# Altium PCB RS2-708_V009.PcbDoc (part 4 of 4)
Units mm, origin at the board's own origin, x right, y up, seen from the top; angles counter-clockwise.
Board outline 68 x 68 mm, 4 copper layers (Top Layer, Layer 1, Layer 2, Bottom Layer), stack 0.783 mm thick; 241 components, 170 nets, 852 pads, 395 vias.
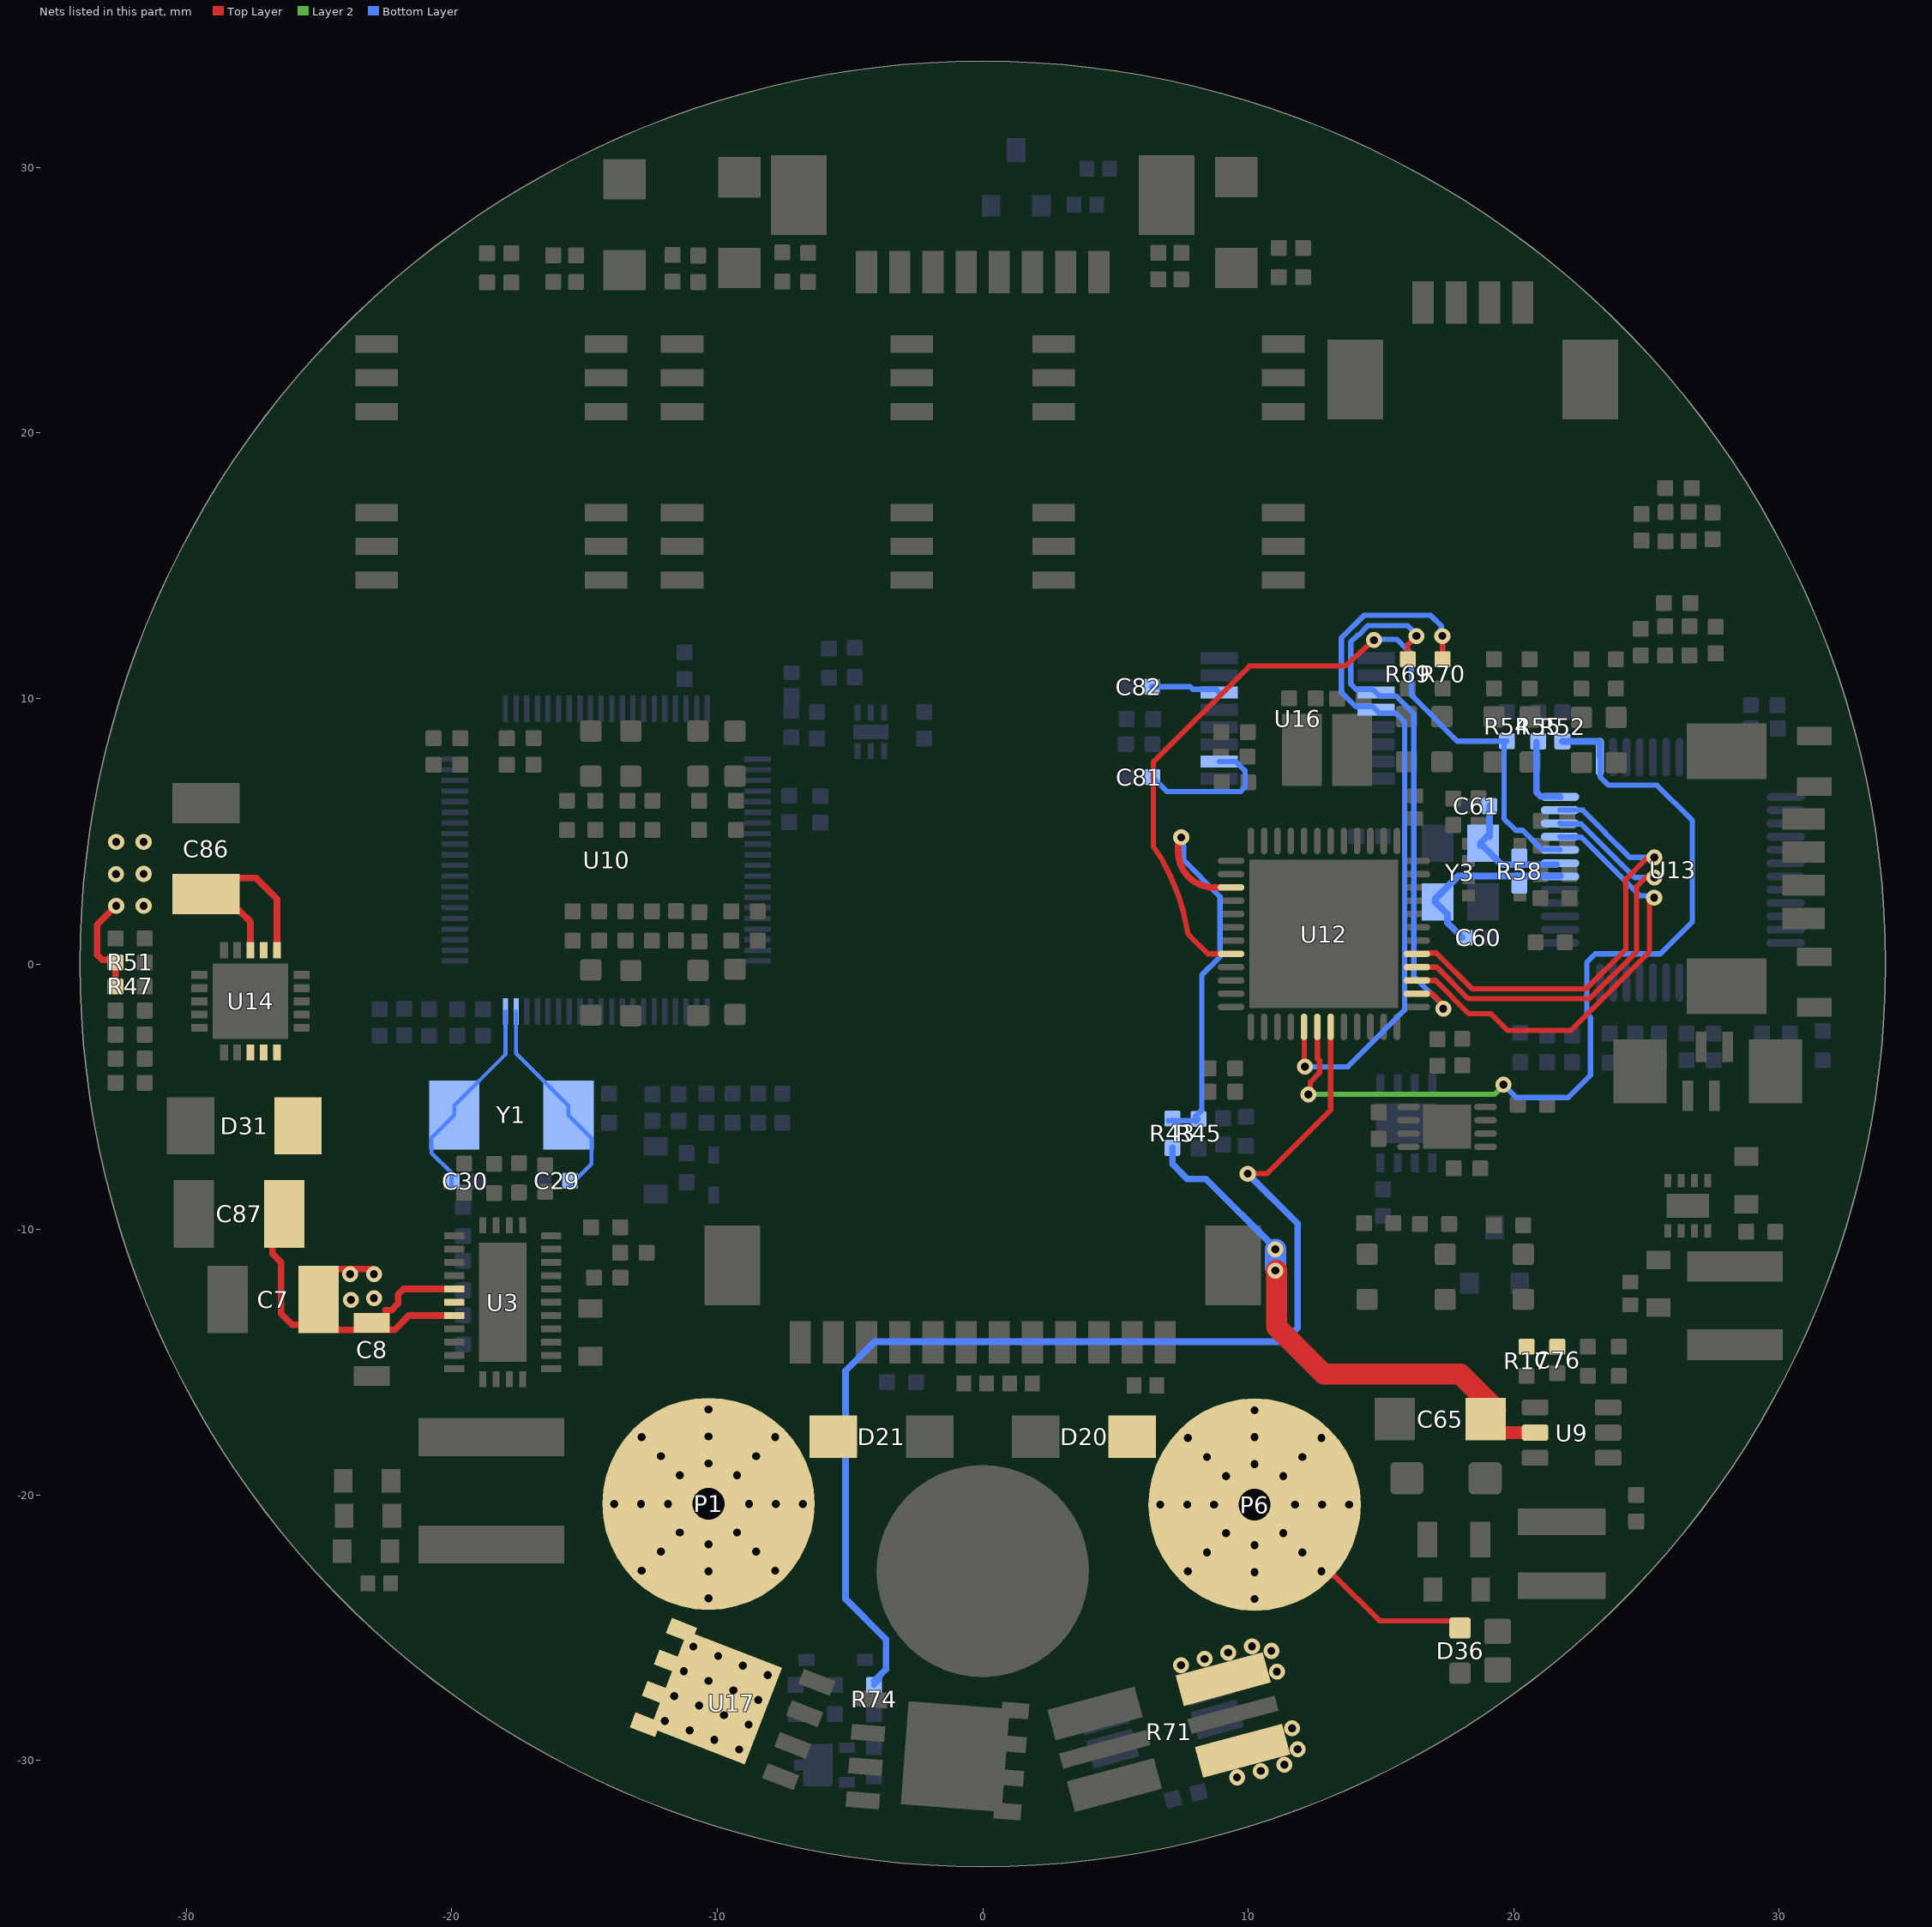
[diagram p6: the nets of this part, all layers, seen from the top]

## Via types
v1: diameter 0.6, hole 0.3, Top Layer to Bottom Layer, tented both sides, 251 vias
v2: diameter 0.6, hole 0.3, Top Layer to Bottom Layer, tented bottom, 109 vias
v3: diameter 0.6, hole 0.3, Top Layer to Bottom Layer, 32 vias
v4: diameter 2, hole 1.2, Top Layer to Bottom Layer, tented bottom, 3 vias

## Nets (pads, with @x,y where several pads share a name; then routed paths per layer and width w, separated by ;. In a path a pad name is that pad's centre, name@x,y a point inside that pad or via, vN(x,y) a via of type N, cw(c..) or ccw(c..) an arc to the next point about the centre after c; other vN are vias at no path point) (continued)
UART7_232_RX: R70.1 U12.29 U16.12 | length 27.6
  Top Layer w0.2: U12.29@12.102,-2.37 12.112,-2.379 12.112,-3.852 v1(12.132,-3.872) ; v1@17.289,12.324 17.318,12.294 R70.1@17.318,11.478
  Bottom Layer w0.2: v1(12.132,-3.872) 13.756,-3.872 15.89,-1.738 15.89,9.121 15.565,9.446 14.937,9.446 U16.12@14.812,9.571 14.687,9.696 14.042,9.696 13.512,10.226 13.512,12.276 14.364,13.129 16.871,13.129 17.272,12.727 v1@17.272,12.213
  other v1: 17.311,12.351
UART7_232_TX: R69.1 U12.38 U16.11 | length 21.3
  Top Layer w0.2: R69.1@16.008,11.478 16.008,12.021 v1(16.337,12.351) ; U12.38@16.352,-1.12 16.356,-1.123 16.925,-1.123 17.269,-1.467 17.269,-1.612 v1(17.346,-1.689)
  Bottom Layer w0.2: v1@16.418,12.32 15.993,12.746 14.509,12.746 14.148,12.384 14.115,12.384 13.862,12.131 13.862,10.542 14.058,10.346 14.687,10.346 14.937,10.096 15.565,10.096 16.24,9.421 16.24,-0.474 17.346,-1.58 v1(17.346,-1.689)
V+: C81.1 U16.2 | length 5.5
  Bottom Layer w0.2: C81.1@6.393,7.036 6.933,6.496 9.715,6.496 9.881,6.661 9.881,7.28 9.54,7.621 U16.2@8.912,7.621
V-: C82.1 U16.6 | length 2.6
  Bottom Layer w0.2: C82.1@6.367,10.439 7.818,10.439 7.912,10.346 8.787,10.346 U16.6@8.912,10.221
V_IN: C86.1 D21.2 P1.1 R47.2 R51.2 U14.1 U14.2 U14.3 U17.5 U17.6 U17.7 U17.8 | length 12.2
  Top Layer w0.25: R47.2@-32.662,-0.854 R51.2@-32.662,0.051 -32.76,0.15 -33.159,0.15 -33.352,0.343 -33.352,1.477 -32.642,2.187 v1(-32.637,2.187) ; U14.3@-27.58,0.517 -27.58,1.582 -27.997,1.999 -28.615,1.999 C86.1@-29.25,2.634 -28.642,3.242 -27.373,3.242 -26.58,2.449 U14.1@-26.58,0.517
  other v1: -31.603,2.187 -32.643,3.388 -31.603,3.391 -32.637,4.596 -31.603,4.596
  other v2: -10.328,-23.891 -10.328,-22.875 -12.842,-22.85 -7.813,-22.85 -12.124,-22.131 -8.532,-22.131 -10.328,-21.859 -11.406,-21.413 -9.25,-21.413 -13.884,-20.335 -12.868,-20.335 -11.852,-20.335 -8.804,-20.335 -7.788,-20.335 -6.772,-20.335 -11.406,-19.258 -9.25,-19.258 -10.328,-18.811 -12.124,-18.539 -8.532,-18.539 -12.842,-17.821 -7.813,-17.821 -10.328,-17.795 -10.328,-16.779
  other v3: -9.175,-29.584 -10.109,-29.225 -11.042,-28.867 -8.816,-28.65 -11.976,-28.508 -9.75,-28.292 -10.683,-27.933 -8.458,-27.717 -11.617,-27.574 -9.391,-27.358 -10.325,-27 -8.099,-26.783 -11.258,-26.641 -9.032,-26.425 -9.966,-26.066 -10.9,-25.707
  other v4: -10.328,-20.335
V_SUPPLY: R43.1 R45.2 U12.15 | length 16.2
  Top Layer w0.25: v1@7.459,4.769 ccw(c7.459,4.676) 7.366,4.676 7.366,4.219 ccw(c8.705,4.219) 8.705,2.88 U12.15@9.352,2.88
  Bottom Layer w0.2: R43.1@6.988,-5.903 8.066,-5.903 R45.2@8.125,-5.845 ; v1@7.563,4.793 7.552,4.783 7.552,4.461 7.563,4.45 7.563,3.909 8.941,2.532 8.941,0.272 8.252,-0.417 8.252,-5.498 8.015,-5.735 R45.2@8.015,-5.939
  other v1: 7.476,4.767
Vm_708: C7.2 C8.1 C65.1 C76.1 C87.1 D31.1 R17.2 R43.2 U3.20 U3.21 U3.22 U9.5 U14.13 U14.14 U14.15 | length 37.7
  Top Layer w0.25: C87.1@-26.3,-9.413 -26.753,-9.866 -26.753,-10.911 -26.424,-11.24 -26.424,-13.171 -26.005,-13.59 -25.652,-13.59 -25.017,-12.955 C7.2@-25.017,-12.639 -25.017,-12.129 -24.382,-11.494 -24.225,-11.494 -24.222,-11.49 v1@-23.126,-11.49 ; C7.2@-24.614,-13.548 -24.382,-13.78 -22.151,-13.78 -21.613,-13.242 U3.22@-19.902,-13.242 ; v1(-22.929,-11.687) v1@-23.126,-11.49 ; v1@-22.929,-11.49 v1@-23.126,-11.49 ; -22.502,-13.038 -22.266,-13.038 -22.016,-12.788 -22.016,-12.443 -21.815,-12.242 U3.20@-19.902,-12.242
  Top Layer w0.5: C65.1@19.445,-17.651 U9.5@20.806,-17.651
  Top Layer w0.8: v1@11.059,-11.548 11.069,-11.558 11.069,-13.667 12.852,-15.449 17.992,-15.449 19.312,-16.769 C65.1@18.938,-17.144
  Bottom Layer w0.25: R43.2@7.143,-6.927 7.143,-7.537 7.702,-8.096 8.406,-8.096 v1@11.078,-10.767
  Bottom Layer w0.8: v1@11.026,-11.452 v1(11.026,-10.749)
  other v1: -23.798,-12.651 -22.929,-12.592 -23.83,-11.687 11.026,-11.548
VM_BUS_EN: R74.1 U12.31 | length 44.4
  Top Layer w0.2: v1(9.98,-7.9) 10.704,-7.9 13.102,-5.501 U12.31@13.102,-2.37
  Bottom Layer w0.2: R74.1@-4.094,-27.159 -4.013,-27.078 -3.918,-26.983 -3.918,-26.836
  Bottom Layer w0.25: R74.1@-4.086,-27.004 -3.992,-26.909 -3.918,-26.836 -3.863,-26.781 -3.644,-26.562 -3.644,-25.437 -5.166,-23.916 -5.166,-15.32 -4.071,-14.225 11.336,-14.225 11.863,-13.698 11.863,-9.782 v1(9.98,-7.9)
Vm_OUT: D20.2 D36.2 P6.1 R71.2 | length 6.3
  Top Layer w0.2: P6.1@12.586,-23.049 12.755,-23.049 12.849,-22.955 12.94,-22.955 13.034,-23.049 13.256,-23.049 14.944,-24.738 17.703,-24.738 D36.2@17.975,-25.01
  other v1: 9.58,-30.635 10.471,-30.396 11.362,-30.157 11.864,-29.575 11.654,-28.79 11.082,-26.656 7.467,-26.415 8.359,-26.176 9.25,-25.937 10.871,-25.871 10.141,-25.698
  other v2: 10.241,-23.92 10.241,-22.904 7.726,-22.879 12.755,-22.879 8.445,-22.16 12.037,-22.16 10.241,-21.888 9.163,-21.442 11.318,-21.442 6.685,-20.364 7.701,-20.364 8.717,-20.364 11.765,-20.364 12.781,-20.364 13.797,-20.364 9.163,-19.287 11.318,-19.287 10.241,-18.84 8.445,-18.568 12.037,-18.568 7.726,-17.85 12.755,-17.85 10.241,-17.824 10.241,-16.808
  other v4: 10.241,-20.364
W5500_INTn: R55.1 U13.36 | length 2.8
  Bottom Layer w0.25: R55.1@20.86,8.351 20.86,6.464 21.022,6.302 21.734,6.302 U13.36@21.743,6.293
W5500_MISO: U12.40 U13.34 | length 16.9
  Top Layer w0.2: U12.40@16.352,-0.12 17.102,-0.12 18.292,-1.31 22.808,-1.31 22.831,-1.287 22.882,-1.287 24.629,0.46 24.629,2.919 24.988,3.278
  Bottom Layer w0.2: U13.34@21.743,5.293 21.761,5.275 22.538,5.275 24.562,3.251 v1(25.298,3.251)
W5500_MOSI: U12.41 U13.35 | length 17.1
  Top Layer w0.2: U12.41@16.352,0.38 16.741,0.38 16.774,0.413 17.079,0.413 18.429,-0.937 22.737,-0.937 24.228,0.554 24.228,2.964 24.212,2.98 24.212,3.181 24.994,3.962
  Bottom Layer w0.2: U13.35@21.743,5.793 22.605,5.793 23.444,4.953 23.444,4.938 24.369,4.013 v1(25.298,4.013)
W5500_NCS: R54.1 U12.20 U13.32 | length 31.9
  Top Layer w0.2: 7.579,1.881 7.716,1.193 ccw(c7.912,1.232) 7.77,1.091 7.909,0.952 8.481,0.38 U12.20@9.352,0.38 ; 7.579,1.882 ccw(c7.284,1.825) 7.571,1.913 7.358,2.615 ccw(c7.07,2.53) 7.347,2.646 7.093,3.259 7.066,3.324 7.065,3.325 ccw(c6.788,3.211) 7.052,3.353 6.705,4.002 ccw(c6.441,3.86) 6.69,4.027 6.426,4.422 6.426,7.595 10.051,11.219 13.645,11.219 v1(14.737,12.196)
  Bottom Layer w0.2: v1(14.737,12.196) 14.771,12.229 15.587,12.229 16.153,11.664 16.153,10.111 17.876,8.388 19.635,8.388 R54.1@19.745,8.388 ; R54.1@19.712,8.388 19.635,8.31 19.635,5.467 20.074,5.028 20.342,5.028 21.058,4.312 21.724,4.312 U13.32@21.743,4.293
W5500_nRST: R52.1 U12.30 U13.37 | length 33.7
  Top Layer w0.2: v1(12.262,-4.913) 12.339,-4.837 12.339,-4.443 12.682,-4.1 12.682,-3.644 12.602,-3.564 U12.30@12.602,-2.37
  Layer 2 w0.2: v1(12.262,-4.913) 19.267,-4.913 19.609,-4.572 v1(19.609,-4.547)
  Bottom Layer w0.2: v1(19.609,-4.547) 20.091,-5.029 22.047,-5.029 22.892,-4.184 22.892,-2.01 22.759,-1.876 22.759,0.066 23.071,0.378 25.521,0.378 26.73,1.588 26.73,5.401 25.4,6.731 23.571,6.731 23.263,7.04 23.263,7.773 U13.37@23.243,7.793
  Bottom Layer w0.25: R52.1@21.835,8.382 23.215,8.382 23.243,8.354 U13.37@23.243,7.793
W5500_SCLK: U12.39 U13.33 | length 17.4
  Top Layer w0.2: U12.39@16.352,-0.62 17.055,-0.62 18.311,-1.876 19.147,-1.876 19.777,-2.506 22.154,-2.506 23.024,-1.637 23.027,-1.637 25.111,0.447 25.111,2.429 25.174,2.493 v1(25.289,2.493)
  Bottom Layer w0.2: U13.33@21.743,4.793 21.763,4.773 22.545,4.773 24.749,2.569 25.212,2.569 v1(25.289,2.493)
X1: C29.1 U10.79 Y1.1 | length 8.1
  Bottom Layer w0.15: U10.79@-17.573,-1.788 -17.573,-3.371 -15.605,-5.34 Y1.1@-15.605,-5.69 -14.732,-6.562 -14.732,-7.536 C29.1@-15.553,-8.357
X2: C30.1 U10.80 Y1.2 | length 8
  Bottom Layer w0.15: C30.1@-20.007,-8.357 -20.007,-7.879 -20.76,-7.127 -20.76,-6.545 Y1.2@-19.905,-5.69 -19.905,-5.34 -17.973,-3.408 U10.80@-17.973,-1.788
XI: C60.2 R58.1 U13.30 Y3.1 | length 6.9
  Bottom Layer w0.25: 17.909,3.31 17.037,2.438 17.037,2.337 17.509,1.865 17.509,1.543 C60.2@18.061,0.991 ; 18.009,3.31 U13.30@21.76,3.31
XO: C61.2 R58.2 U13.31 Y3.3 | length 4.7
  Bottom Layer w0.25: Y3.3@18.739,4.445 18.739,4.547 Y3.3@18.985,4.793 ; Y3.3@18.839,4.445 19.542,3.742 U13.31@21.607,3.742 ; Y3.3@19.085,4.793 C61.2@19.085,5.944
pads on no net: D1.0 D2.0 D3.0 D4.0 D6.0 D7.0 D8.0 D9.0 D10.0 D11.0 D12.0 D13.0 D14.0 D15.0 D16.0 D17.0 D18.0 D36.0 P5.9 P5.10 P7.5 P7.6 P8.5 P8.6 P10.5 P10.6 P11.13 P11.14 U2.9 U3.11 U10.22 U10.23 U10.29 U10.30 U10.32 U10.35 U10.36 U10.37 U10.38 U10.39 U10.40 U10.41 U10.43 U10.44 U10.45 U10.46 U10.49 U10.50 U10.51 U10.52 U10.53 U10.54 U10.55 U10.56 U10.57 U10.58 U10.59 U10.60 U10.74 U10.75 U12.2 U12.3 U12.4 U12.10 U12.18 U12.19 U13.7 U13.12 U13.13 U13.18 U13.24 U13.26 U13.38 U13.39 U13.40 U13.41 U13.42 U13.43 U13.44 U13.45 U13.46 U13.47 U14.6 U14.9 U14.12 U14.16 U14.17 U14.18 U14.19 U14.20 U16.7 U16.8 U16.9 U16.10 U19.4

## Polygon pours and split planes (outlines as drawn)
GND on Top Layer "TOP_GND-Cu-Pour" (solid, remove dead copper, pour order 156): 9.396,32.676 8.838,32.676 ccw(c8.838,32.447) 8.609,32.447 8.609,25.452 ccw(c8.893,25.452) 8.893,25.168 9.643,25.168 cw(c9.643,24.601) 10.211,24.601 10.211,14.26 cw(c9.866,14.26) 9.866,13.916 4.027,13.916 cw(c4.027,14.341) 3.601,14.341 3.601,24.722 cw(c4.127,24.722) 4.127,25.248 6.061,25.248 ccw(c6.061,25.534) 6.347,25.534 6.347,33.011 ccw(c5.877,33.017) 5.883,33.487 ccw(c0,0) 0,34 ccw(c0,0.002) -4.508,33.7 ccw(c-4.508,33.229) -4.979,33.229 -4.979,25.031 ccw(c-4.636,25.031) -4.636,24.688 -3.95,24.688 cw(c-3.95,24.288) -3.55,24.288 -3.55,14.381 cw(c-4.026,14.381) -4.026,13.905 -9.952,13.905 cw(c-9.952,14.286) -10.333,14.286 -10.333,27.51 cw(c-9.89,27.51) -9.89,27.953 -9.47,27.953 ccw(c-9.47,28.324) -9.099,28.324 -9.099,32.505 ccw(c-9.296,32.507) -9.294,32.705 ccw(c0,0) -17.113,29.38 ccw(c-16.67,28.936) -17.296,28.936 -17.296,26.537 ccw(c-16.916,26.537) -16.916,26.157 -15.417,26.157 cw(c-15.417,25.861) -15.122,25.861 -15.122,14.145 cw(c-15.607,14.145) -15.607,13.66 -21.624,13.66 cw(c-21.624,13.998) -21.961,13.998 -21.961,25.819 ccw(c-22.035,25.818) -22.036,25.892 ccw(c0,0) -34,0 ccw(c0,0) -22.59,-25.411 -21.873,-24.694 ccw(c-22.676,-23.89) -21.54,-23.89 -21.54,-17.261 cw(c-20.796,-17.261) -21.322,-16.735 cw(c-20.978,-17.078) -20.978,-16.592 -16.087,-16.592 cw(c-16.087,-17.102) -15.577,-17.102 -15.577,-29.615 ccw(c-14.512,-29.634) -15.279,-30.374 ccw(c0,0) 0,-34 ccw(c0,0) 23.179,-24.875 22.773,-24.468 ccw(c22.289,-24.952) 22.289,-24.268 20.339,-24.268 cw(c20.339,-23.983) 20.054,-23.983 20.054,-20.539 cw(c20.373,-20.539) 20.373,-20.22 26.96,-20.22 ccw(c26.975,-19.485) 27.484,-20.015 ccw(c0.001,-0.001) 30.531,-14.961 ccw(c30.443,-15.05) 30.443,-14.924 26.618,-14.924 cw(c26.618,-14.73) 26.424,-14.73 26.424,-10.737 cw(c26.627,-10.737) 26.627,-10.534 31.718,-10.534 ccw(c31.727,-9.549) 32.417,-10.253 ccw(c0.001,0) 34,0 ccw(c0,0)
Vm_708 on Top Layer "TOP_VM_708_12vreg-in" (solid, remove dead copper, pour order 130): -21.908,-11.285 cw(c-21.908,-11.553) -21.64,-11.553 ccw(c-21.176,-11.553) -21.176,-12.017 -19.438,-12.017 -19.438,-13.26 cw(c-19.581,-13.26) -19.581,-13.403 -21.345,-13.403 ccw(c-21.346,-14.029) -21.788,-13.586 -21.815,-13.613 cw(c-22.577,-12.852) -22.577,-13.929 -25.731,-13.929 cw(c-25.731,-13.037) -26.624,-13.037 -26.624,-11.99 ccw(c-27.521,-11.99) -26.887,-11.355 -27.042,-11.2 cw(c-25.859,-10.017) -27.532,-10.017 -27.532,-5.13 ccw(c-27.831,-5.13) -27.62,-4.918 cw(c-27.293,-4.591) -27.755,-4.591 -27.755,-3.081 cw(c-27.652,-3.081) -27.672,-2.98 -26.273,-2.98 cw(c-26.273,-3.26) -26.074,-3.062 -25.13,-4.006 cw(c-25.761,-4.653) -24.857,-4.641 -24.857,-7.088 cw(c-25.341,-7.088) -24.999,-7.431 -25.223,-7.654 ccw(c-24.86,-8.017) -25.373,-8.017 -25.373,-10.225 ccw(c-24.313,-10.225) -24.313,-11.285
12V on Top Layer "TOP_12V_IND-OUT" (solid, remove dead copper, pour order 128): -21.624,-18.563 -21.624,-18.618 ccw(c-21.332,-18.618) -21.332,-18.909 -21.329,-18.909 -21.329,-19.165 -21.408,-19.165 ccw(c-21.409,-19.377) -21.622,-19.376 ccw(c-20.044,-19.294) -21.161,-20.411 ccw(c-20.268,-19.517) -20.268,-20.781 -16.191,-20.781 cw(c-16.191,-21.342) -15.629,-21.342 -15.629,-22.486 cw(c-16.092,-22.486) -16.092,-22.949 -21.115,-22.949 ccw(c-21.115,-23.279) -21.446,-23.279 cw(c-21.888,-23.279) -21.888,-23.722 -22.563,-23.722 cw(c-22.563,-23.543) -22.741,-23.543 -22.741,-20.943 ccw(c-23.914,-20.943) -23.085,-20.113 cw(c-22.399,-19.427) -23.369,-19.427 -23.369,-16.692 cw(c-23.001,-16.692) -23.041,-16.326 -22.014,-16.326 cw(c-22.014,-16.716) -21.624,-16.716
Vm_708 on Top Layer "TOP_VM-708_RegIn" (solid, remove dead copper, pour order 122): 19.171,-15.542 18.818,-15.542 cw(c18.818,-15.139) 18.534,-15.424 18.163,-15.054 ccw(c18.025,-15.192) 18.025,-14.997 13.381,-14.997 cw(c13.381,-14.216) 12.83,-14.768 11.792,-13.73 cw(c12.471,-13.051) 11.51,-13.051 11.51,-10.806 ccw(c11.086,-10.806) 11.086,-10.382 ccw(c11.086,-10.843) 10.625,-10.843 10.625,-13.618 ccw(c11.23,-13.618) 10.802,-14.046 12.587,-15.831 ccw(c12.869,-15.549) 12.869,-15.948 17.623,-15.948 cw(c17.623,-16.384) 18.06,-16.384 18.06,-17.754 ccw(c18.335,-17.754) 18.335,-18.029 21.202,-18.029 ccw(c21.202,-17.859) 21.372,-17.859 21.372,-17.407 ccw(c21.221,-17.407) 21.221,-17.257 20.01,-17.257 cw(c20.01,-17.021) 19.775,-17.021 19.775,-15.046 cw(c20.03,-15.046) 20.03,-14.791 21.85,-14.791 ccw(c21.85,-14.602) 22.038,-14.602 22.038,-14.156 ccw(c21.91,-14.156) 21.91,-14.027 19.644,-14.027 ccw(c19.644,-14.25) 19.42,-14.25 19.42,-15.271 cw(c19.161,-15.282)
12V on Top Layer "TOP_12V_P11-OUT" (solid, remove dead copper, pour order 154): 5.182,-12.711 5.182,-15.171 ccw(c5.356,-15.171) 5.356,-15.344 7.117,-15.344 ccw(c7.117,-15.135) 7.326,-15.135 7.326,-12.533 ccw(c7.043,-12.533) 7.043,-12.25 5.47,-12.25 ccw(c5.47,-12.535) 5.185,-12.535
Vm_OUT on Top Layer "TOP_VM_OUT_BIGSWITCH" (solid, remove dead copper, pour order 144): 13.542,-31.451 14.772,-31.011 14.889,-19.758 ccw(c14.039,-19.758) 14.64,-19.157 13.429,-17.852 12.598,-17.021 ccw(c10.802,-18.817) 10.802,-16.277 10.238,-16.277 9.271,-16.279 ccw(c9.271,-17.5) 8.408,-16.637 cw(c8.083,-16.312) 8.083,-16.771 4.853,-16.771 ccw(c4.853,-16.987) 4.637,-16.987 4.637,-18.731 7.264,-27.862 7.621,-28.102 11.551,-27.072 11.823,-27.316 11.991,-28.046 11.769,-28.336 7.962,-29.33 7.839,-29.595 7.915,-29.874 8.817,-32.98 11.322,-32.289
NetR71_1 on Top Layer "TOP_NETR71_1_BigSwitch" (solid, remove dead copper, pour order 148): -2.978,-29.505 -3.329,-34.084 1.126,-34.276 6.987,-33.487 7.477,-33.402 6.611,-29.947 6.606,-29.926 6.366,-29.777 2.753,-30.743 2.309,-30.601 2.065,-29.838 2.37,-29.501 6.036,-28.538 6.216,-28.337 5.804,-26.602 5.209,-26.007 ccw(c4.91,-26.306) 4.91,-25.883 3.48,-25.883 ccw(c3.48,-26.525) 3.025,-26.071 2.648,-26.448 cw(c0.852,-24.652) 0.852,-27.192 -2.121,-27.192 ccw(c-2.121,-27.903) -2.624,-27.4 -2.78,-27.555 ccw(c-2.597,-27.738) -2.855,-27.738 -2.848,-27.687
NetD19_1 on Top Layer "TOP_D19_1_BigSwitch" (solid, remove dead copper, pour order 147): -7.298,-27.634 -7.038,-27.499 -5.709,-27.99 -4.929,-27.258 -3.513,-27.345 -3.339,-27.46 -3.571,-30.61 -3.725,-30.802 -5.112,-30.716 -7.211,-31.688 -8.559,-31.168 -8.675,-30.899 -7.301,-27.634
V_IN on Top Layer "TOP_V_IN_Switch_IN" (solid, remove dead copper, pour order 145): -15.056,-30.518 ccw(c-13.886,-30.518) -14.713,-31.345 -11.465,-32.706 -9.942,-32.706 cw(c-9.942,-32.815) -9.864,-32.738 -8.64,-29.982 -4.636,-19.076 -4.599,-16.993 ccw(c-4.853,-16.993) -4.853,-16.738 -7.683,-16.738 cw(c-7.683,-15.725) -8.4,-16.442 ccw(c-9.097,-17.138) -9.097,-16.153 -10.333,-16.153 -10.955,-16.153 ccw(c-10.955,-18.693) -12.751,-16.897 -14.312,-18.459 ccw(c-12.516,-20.255) -15.056,-20.255
GND on Top Layer "TOP_GND_IN" (solid, remove dead copper, pour order 143): 1.409,-16.933 ccw(c1.409,-16.327) 1.838,-16.755 2.535,-16.058 ccw(c2.321,-15.843) 2.624,-15.843 2.628,-15.149 2.628,-13.714 cw(c2.838,-13.714) 2.838,-13.504 4.596,-13.504 cw(c4.596,-13.759) 4.851,-13.759 4.851,-14.797 ccw(c4.905,-14.811) 4.857,-14.839 4.857,-15.588 cw(c3.71,-15.588) 4.521,-16.399 3.272,-17.648 ccw(c3.799,-18.175) 3.054,-18.175 3.054,-18.824 ccw(c3.976,-18.824) 3.324,-19.476 3.722,-19.874 cw(c2.793,-20.803) 4.107,-20.803 4.107,-23.088 4.08,-23.586 cw(c1.54,-23.586) 3.336,-25.382 2.544,-26.175 cw(c0.748,-24.379) 0.748,-26.919 0.041,-26.919 -0.717,-26.879 cw(c-0.717,-24.339) -2.513,-26.135 -3.365,-25.284 cw(c-1.569,-23.488) -4.109,-23.488 -4.109,-20.697 cw(c-2.999,-20.697) -3.784,-19.912 -3.332,-19.461 ccw(c-3.986,-18.806) -3.061,-18.806 -3.061,-17.299 cw(c-2.692,-17.303) -2.688,-16.933